# Altium PCB robot.PcbDoc (part 1 of 13)
Units mm, origin at the board's own origin, x right, y up, seen from the top; angles counter-clockwise.
Board outline 97 x 68 mm, 2 copper layers (Top Layer, Bottom Layer); 163 components, 156 nets, 23258 pads, 60 vias.
Unrouted connection lines stored in the file: 298.
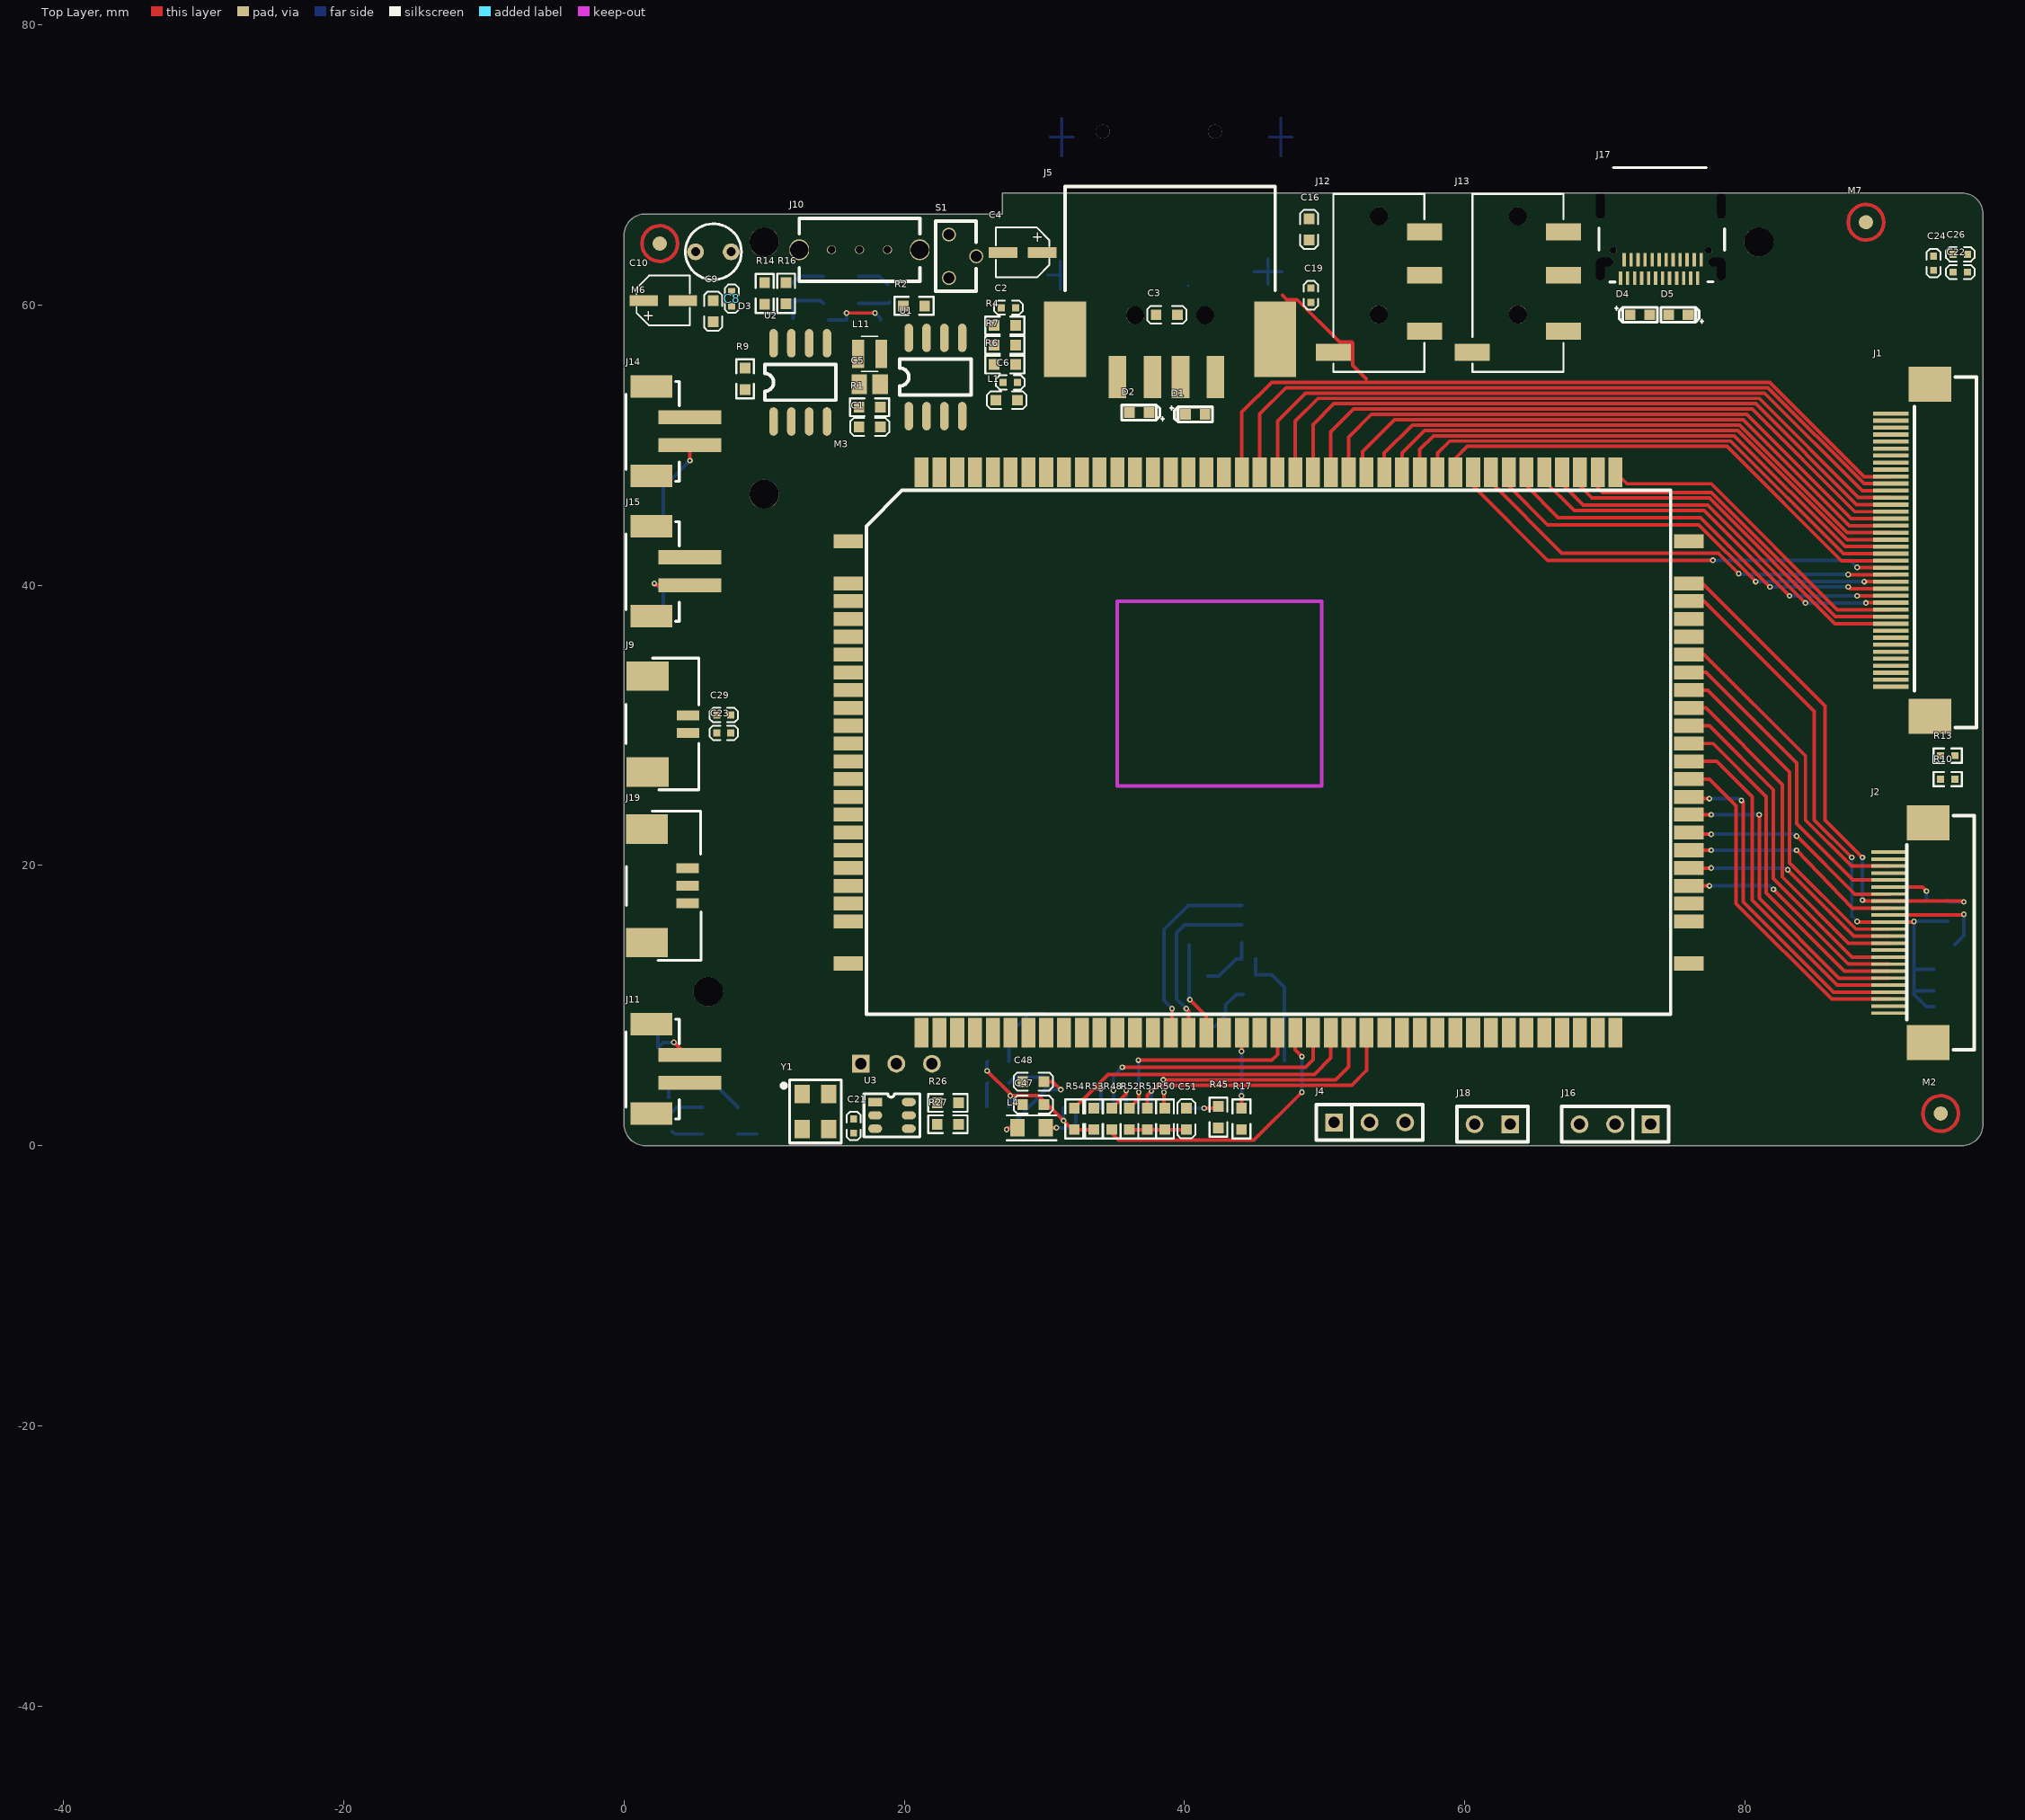
[diagram p0: Top Layer view]
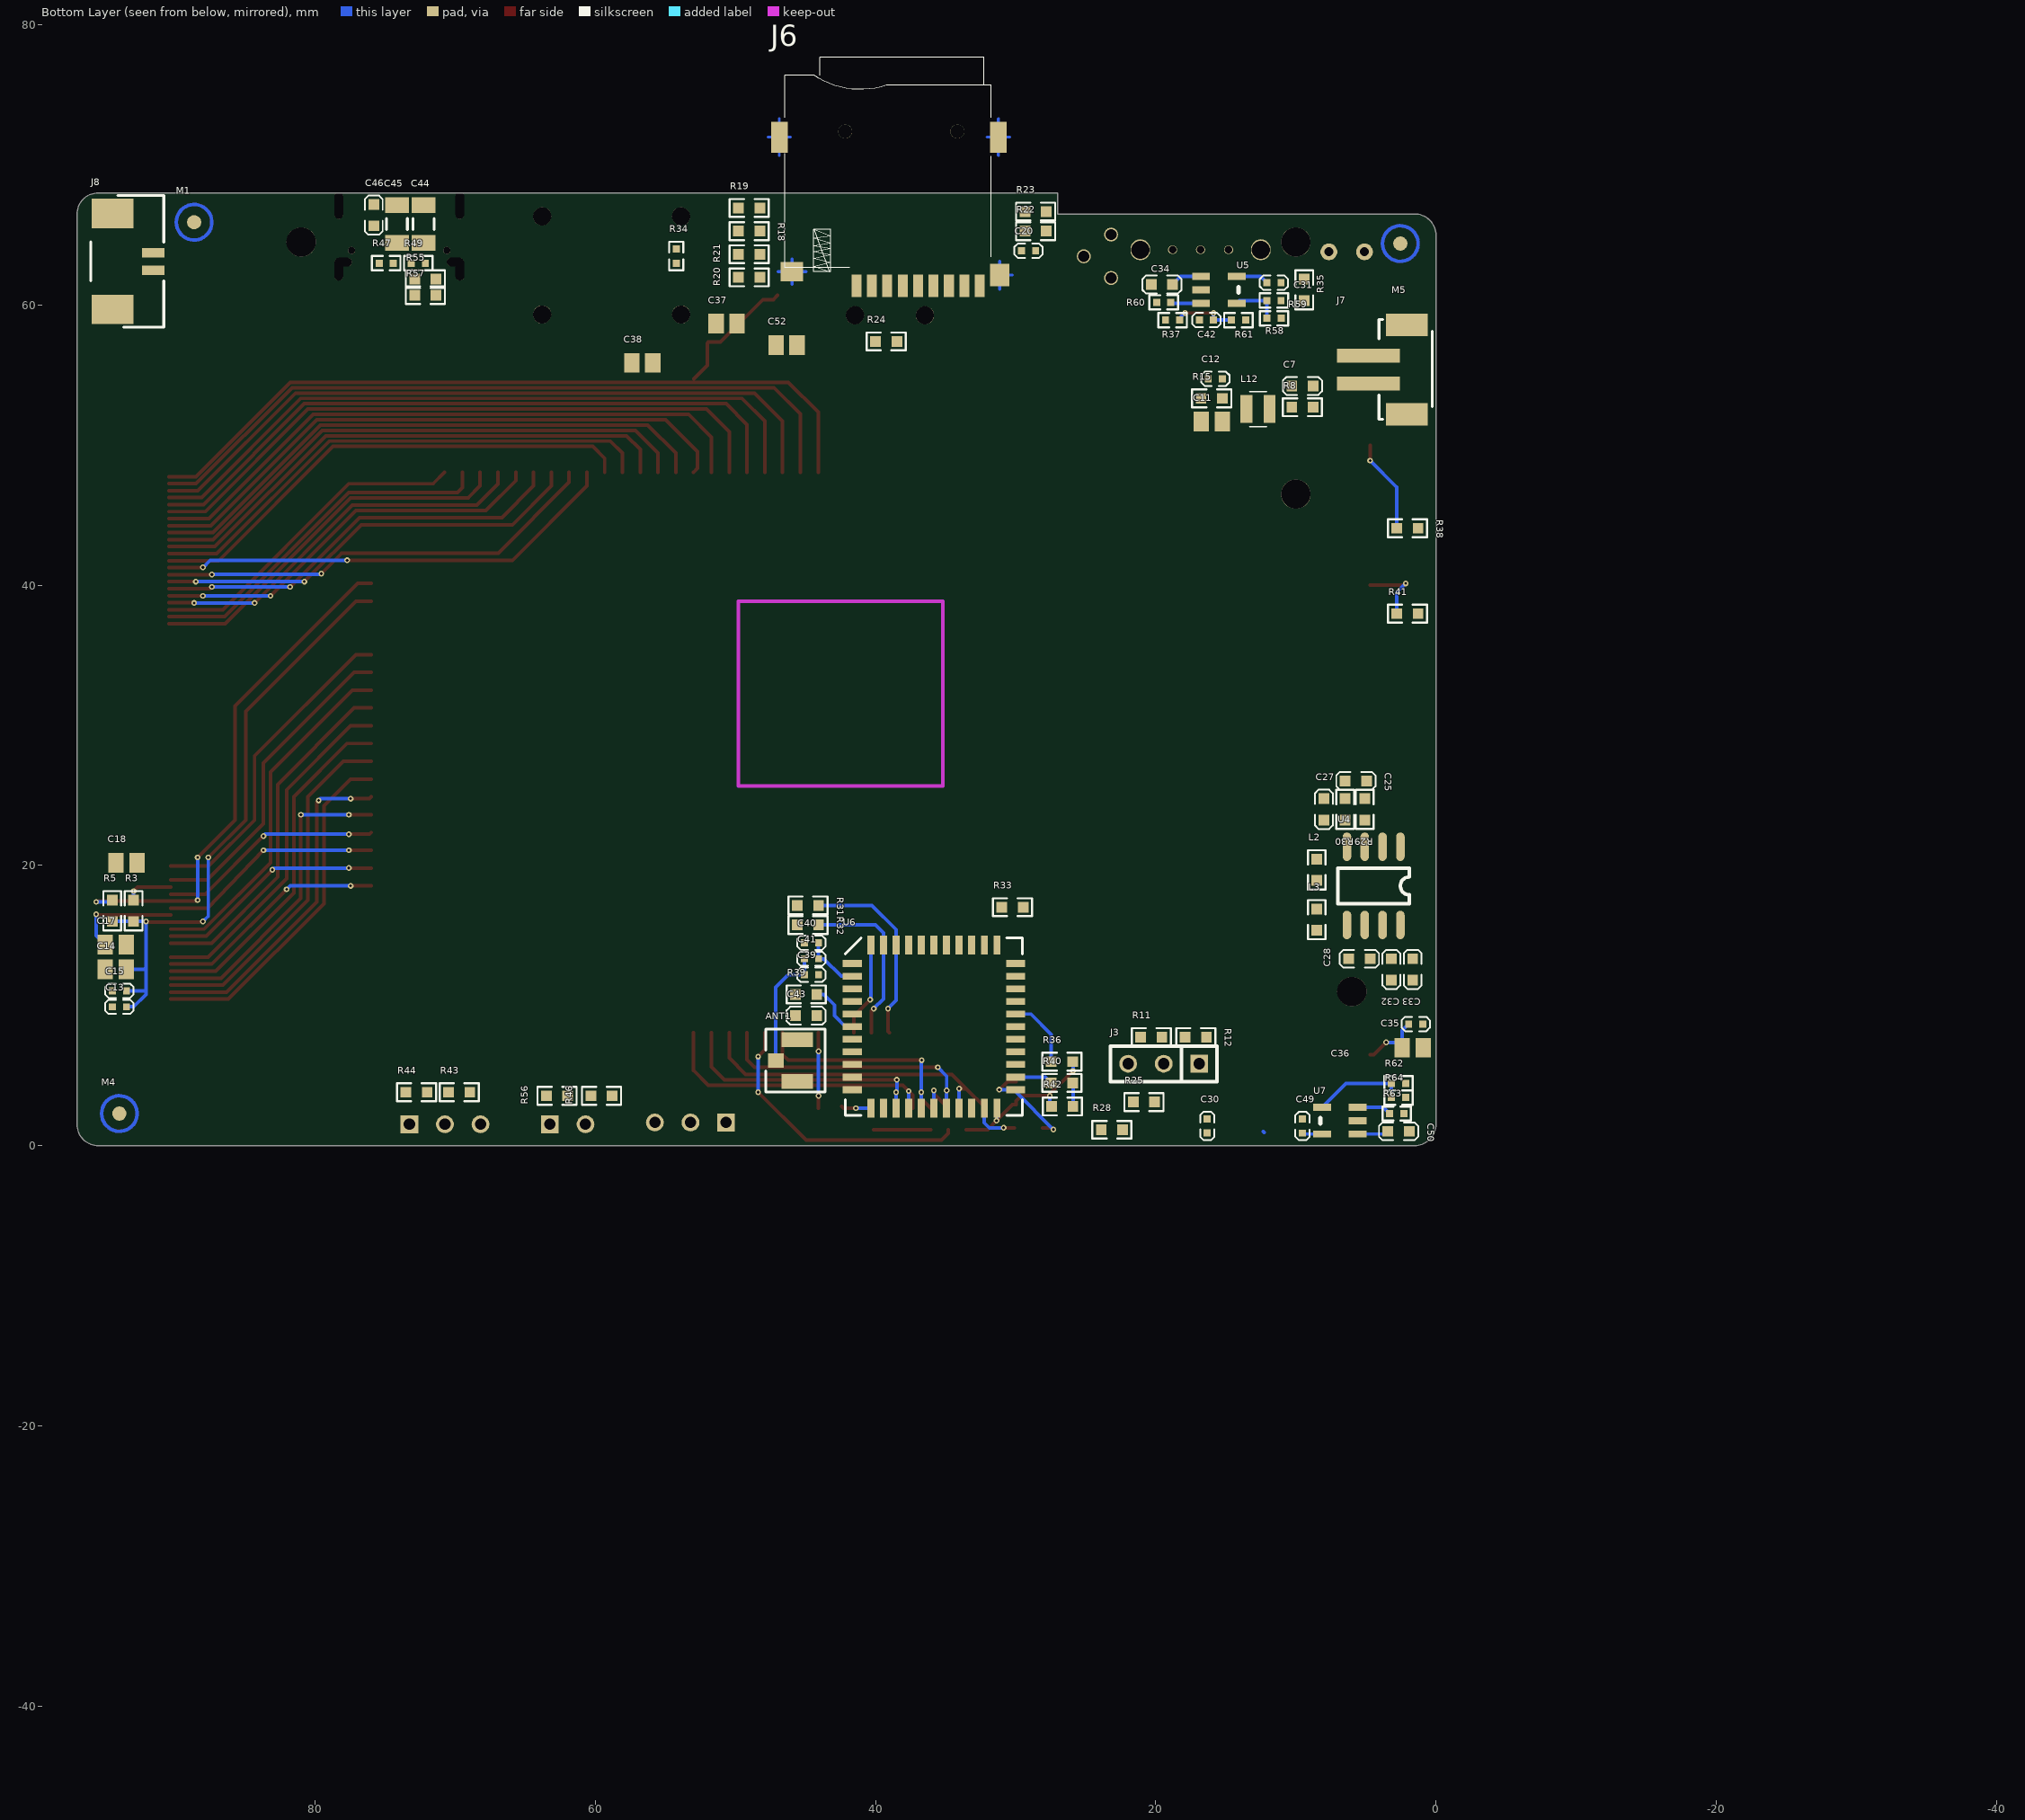
[diagram p1: Bottom Layer view, seen from below]

## Layer stack, top to bottom
Top Solder: solder mask 0.0102, Solder Resist, Dk 3.5
Top Layer: signal copper 0.0356
Dielectric 1: dielectric 0.32, FR-4, Dk 4.8
Bottom Layer: signal copper 0.0356
Bottom Solder: solder mask 0.0102, Solder Resist, Dk 3.5

## Board outline
1.5,0 cw(c1.5,1.5) 0,1.5 0,65 cw(c1.5,65) 1.5,66.5 27,66.5 27,68 95.5,68 cw(c95.5,66.5) 97,66.5 97,1.5 cw(c95.5,1.5) 95.5,0

## Design rules (kind name [scope] priority, off if disabled: settings)
Clearance Clearance_1 [All] p1: gap=0
DiffPairsRouting [All] p1: maxlimit=0.254 minlimit=0.254 mostfreqgap=0.254 toplayer_minwidth=0.254 toplayer_maxwidth=0.381 toplayer_prefwidth=0.254 bottomlayer_minwidth=0.254 bottomlayer_maxwidth=0.381 bottomlayer_prefwidth=0.254 maxuncoupledlength=12.7
MinimumSolderMaskSliver [All] p1: minsoldermaskwidth=0.051
PlaneConnect [All] p1: planeconnectstyle=Direct reliefexpansion=0.508 reliefentries=4 reliefconductorwidth=0.254 reliefairgap=0.254
PolygonConnect PolygonConnect_2 [IsVia] p1: connectstyle=Direct reliefconductorwidth=0.254 reliefentries=4 polygonreliefangle="90 Angle" airgapwidth=0.254
PolygonConnect [All] p2: connectstyle=Relief reliefconductorwidth=0.254 reliefentries=4 polygonreliefangle="90 Angle" airgapwidth=0.254
RoutingVias [All] p1: holewidth=0.203 width=0.406 viastyle="Through Hole" minholewidth=0.203 minwidth=0.406 maxholewidth=0.203 maxwidth=0.406
SilkToSilkClearance [All] p1: silktosilkclearance=0.051
SilkToSolderMaskClearance [IsPad] p1: minsilkscreentomaskgap=0.051 clearancetoexposedcopper=TRUE
SolderMaskExpansion [All] p1: expansion=0.102
Width [All] p1: maxlimit=0.8 minlimit=0.152 preferedwidth=0.254 minimp=50.000000 maximp=50.000000 favimp=50.000000
25 further rules are at their usual default settings.

## Components (designator, comment, footprint, x,y, rotation, side; value= is the part's Value field where it differs from the comment)
ANT1 "IPEX" J-IPEX 45.593,4.572 r0 bottom
C1 "4.7NF" C0603 16.764,51.308 r0 top
C2 "0.1UF" C0402 27.94,59.817 r180 top
C3 "22UF" C0603 37.973,59.309 r0 top
C4 "100UF" CD3X5.3SMD 29.845,63.754 r0 top
C5 "226K25V" C0805 17.526,54.356 r180 top
C6 "1NF" C0402 27.051,54.483 r0 top
C7 "4.7NF" C0603 8.763,54.229 r0 bottom
C8 "0.1UF" C0402 7.685,60.96 r270 top
C9 "22UF" C0603 6.35,58.801 r90 top
C10 "100UF" CD3X5.3SMD 1.397,60.325 r180 top
C11 "226K25V" C0805 16.002,51.689 r180 bottom
C12 "1NF" C0402 15.24,54.737 r0 bottom
C13 "104J10V" C0402 93.472,9.906 r0 bottom
C14 "226M50V" C0805 94.246,12.573 r0 bottom
C15 "104J10V" C0402 93.472,11.049 r0 bottom
C16 "106K50V" C0603 48.895,66.167 r270 top
C17 "226M50V" C0805 94.234,14.351 r180 bottom
C18 "226M50V" C0805 93.472,20.193 r180 bottom
C19 "104J10V" C0402 49.022,60.198 r90 top
C20 "104J10V" C0402 29.591,63.881 r180 bottom
C21 "220J10V" C0402 16.383,1.905 r270 top
C22 "33PF" C0402 95.885,62.357 r180 top
C23 "1NF" C0402 7.62,29.464 r180 top
C24 "100PF" C0402 93.472,62.484 r90 top
C25 "4.7NF" C0603 6.477,26.035 r180 bottom
C26 "33PF" C0402 94.869,63.627 r0 top
C27 "4.7NF" C0603 8.001,23.241 r90 bottom
C28 "10UF" C0603 4.699,13.335 r0 bottom
C29 "1NF" C0402 6.604,30.734 r0 top
C30 "220J10V" C0402 16.321,0.897 r90 bottom
C31 "104J10V" C0402 11.057,61.597 r0 bottom
C32 "10UF" C0603 3.181,13.335 r270 bottom
C33 "1uf" C0603 1.657,13.335 r270 bottom
C34 "10UF" C0603 18.796,61.468 r0 bottom
C35 "104J10V" C0402 1.949,8.677 r180 bottom
C36 "226K25V" C0805 1.651,6.985 r180 bottom
C37 "226K25V" C0805 50.63,58.674 r0 bottom
C38 "226K25V" C0805 56.654,55.88 r0 bottom
C39 "NC" C0402 44.069,12.192 r0 bottom
C40 "NC" C0402 45.085,14.478 r180 bottom
C41 "330J10V" C0402 44.069,13.335 r0 bottom
C42 "104J10V" C0402 15.875,58.928 r0 bottom
C43 "106K50V" C0603 44.196,9.271 r0 bottom
C44 "220UF 20%" C1206 72.263,65.786 r90 bottom
C45 "220UF 20%" C1206 74.168,65.786 r90 bottom
C46 "106K50V" C0603 75.819,67.183 r270 bottom
C47 "475K16V" C0603 28.448,2.921 r0 top
C48 "475K16V" C0603 28.448,4.572 r0 top
C49 "104J10V" C0402 9.525,1.905 r270 bottom
C50 "10UF" C0603 3.429,1.016 r180 bottom
C51 "105K16V" C0603 40.132,1.143 r90 top
C52 "226K25V" C0805 46.355,57.15 r180 bottom
D1 "ESDA_TR1/0603" HS_0603D 40.767,52.197 r0 top
D2 "ESDA_TR1/0603" HS_0603D 36.766,52.324 r180 top
D3 "发光二极管" "LED 3MM" 6.37,63.803 r0 top locked
D4 "ESDA_TR1/0603" HS_0603D 72.517,59.309 r0 top
D5 "ESDA_TR1/0603" HS_0603D 75.248,59.309 r180 top
J1 "LCD_40P" "LCD P40" 93.218,54.356 r270 top
J2 "FPC0.5-24P/UT" FPC0.5-24P/UT 90.297,20.955 r270 top
J3 "S2.54-3P" S2.54-3P 16.891,5.842 r0 bottom
J4 "S2.54-3P" S2.54-3P 50.673,1.651 r0 top
J5 "USB_B" "SMD USB A型" 38.973,57.069 r180 top locked
J6 "TF_CARD" SD_CARD_7 41.364,61.39 r270 bottom
J7 "S2.54-2P" J-SH2.0-T-1-LT-2A_立式 4.826,54.388 r90 bottom
J8 "SH1.0-T-1-LT-2A_卧式" J-SH1.27-2 91.567,62.484 r90 bottom
J9 "SH1.0-T-1-LT-2A_卧式" J-SH1.27-2 4.572,29.464 r90 top
J10 "SW" 拨码开关 16.8,63.95 r180 top locked
J11 "S2.54-2P" J-SH2.0-T-1-LT-2A_立式 4.699,6.477 r270 top locked
J12 "耳机4P" 耳机接口 53.88,62.23 r180 top locked
J13 "耳机4P" 耳机接口 63.8,62.23 r180 top locked
J14 "S2.54-2P" J-SH2.0-T-1-LT-2A_立式 4.699,52 r270 top
J15 "S2.54-2P" J-SH2.0-T-1-LT-2A_立式 4.699,42 r270 top
J16 "S2.54-3P" S2.54-3P 73.279,1.524 r180 top
J17 "TYPEC-3KU024S" "MICRO -TYPE C" 74,64.516 r180 top
J18 "S2.54-2P" S2.54-2P 63.246,1.524 r180 top
J19 "Header 3" "J-SH1.27 - 3" 3.079,18.542 r90 top
L1 "10uH" C0603 28.067,53.213 r180 top
L2 "120R" R0603 8.509,20.447 r270 bottom
L3 "120R" R0603 8.509,15.367 r90 bottom
L4 "3.3uH" L0805 30.099,1.27 r180 top
L11 "" 电感SMD6*6*2.8 17.526,56.515 r90 top
L12 "" 电感SMD6*6*2.8 12.7,52.578 r90 bottom
M1 "O-Markpoint" MARKGLOBAL1 88.646,65.908 r180 bottom
M2 "O-Markpoint" MARKGLOBAL1 93.977,2.289 r0 top
M3 "A33 CORE2" A33-CORE2 16.002,40.132 r0 top
M4 "O-Markpoint" MARKGLOBAL1 93.98,2.286 r180 bottom
M5 "O-Markpoint" MARKGLOBAL1 2.543,64.392 r180 bottom
M6 "O-Markpoint" MARKGLOBAL1 2.54,64.389 r0 top
M7 "O-Markpoint" MARKGLOBAL1 88.643,65.91 r0 top
R1 "2.2R" R0603 16.764,52.705 r0 top
R2 "43K" R0603 19.931,59.944 r0 top
R3 "100KF" R0603 92.964,16.002 r90 bottom
R4 "73K" R0603 26.416,58.547 r0 top
R5 "100KF" R0603 94.488,17.526 r270 bottom
R6 "10K" R0603 26.416,55.753 r0 top
R7 "10K" R0603 27.94,57.15 r180 top
R8 "2.2R" R0603 8.763,52.705 r0 bottom
R9 "43K" R0603 8.636,53.975 r90 top
R10 "4.7KF" R0402 93.972,26.162 r0 top
R11 "22R" R0603 21.082,7.747 r180 bottom
R12 "22R" R0603 17.907,7.747 r180 bottom
R13 "4.7KF" R0402 93.972,27.838 r0 top
R14 "73K" R0603 10.033,60.071 r90 top
R15 "10K" R0603 15.24,53.34 r0 bottom
R16 "10K" R0603 11.565,61.605 r270 top
R17 "10k" R0603 44.069,1.143 r90 top
R18 "47KF" R0603 48.26,65.278 r0 bottom
R19 "10KF" R0603 48.26,66.929 r0 bottom
R20 "47KF" R0603 48.26,61.976 r0 bottom
R21 "47KF" R0603 48.26,63.627 r0 bottom
R22 "47KF" R0603 29.337,65.278 r180 bottom
R23 "47KF" R0603 29.337,66.675 r180 bottom
R24 "33RF" R0603 40.005,57.404 r180 bottom
R25 "100RF" R0603 21.603,3.109 r180 bottom
R26 "470RF" R0603 23.876,3.048 r180 top
R27 "3KF" R0603 23.876,1.524 r180 top
R28 "560KF" R0603 23.889,1.13 r180 bottom
R29 "150K" R0603 5.08,24.765 r270 bottom
R30 "150K" R0603 6.477,24.765 r270 bottom
R31 "10KF" R0603 45.593,17.145 r180 bottom
R32 "10KF" R0603 45.593,15.748 r180 bottom
R33 "100KF" R0603 30.988,17.018 r180 bottom
R34 "6.8k" R0402 54.229,64.008 r270 bottom
R35 "2K" R0603 9.398,61.849 r270 bottom
R36 "0R" R0603 27.457,5.994 r180 bottom
R37 "10k" R0402 19.304,58.928 r180 bottom
R38 "1K" R0603 2.794,44.069 r180 bottom
R39 "100KF" R0603 44.196,10.795 r0 bottom
R40 "0R" R0603 27.457,4.47 r180 bottom
R41 "1K" R0603 2.794,37.973 r180 bottom
R42 "10KF" R0603 27.432,2.794 r180 bottom
R43 "22R" R0603 68.961,3.81 r0 bottom
R44 "22R" R0603 72.009,3.81 r0 bottom
R45 "100KF" R0603 42.418,2.794 r270 top
R46 "100KF" R0603 58.801,3.556 r0 bottom
R47 "2.2R" R0402 75.438,62.992 r180 bottom
R48 "33RF" R0603 34.82,2.667 r270 top
R49 "2.2R" R0402 72.136,62.992 r0 bottom
R50 "33KF" R0603 38.608,1.143 r90 top
R51 "33KF" R0603 37.338,1.143 r90 top
R52 "33KF" R0603 36.068,1.143 r90 top
R53 "33KF" R0603 33.528,1.143 r90 top
R54 "33KF" R0603 32.131,1.143 r90 top
R55 "1KF" R0603 71.374,61.849 r0 bottom
R56 "6.8KF" R0603 61.976,3.556 r0 bottom
R57 "47KF" R0603 72.898,60.706 r180 bottom
R58 "4.7k" R0402 12.065,59.055 r180 bottom
R59 "100k" R0402 11.057,60.327 r0 bottom
R60 "6.8k" R0402 19.939,60.198 r180 bottom
R61 "10k" R0402 14.605,58.928 r180 bottom
R62 "4.7k" R0402 3.175,4.445 r180 bottom
R63 "6.8k" R0402 3.302,2.286 r180 bottom
R64 "100k" R0402 3.175,3.429 r180 bottom
S1 "KSMD 4.5*4.5" 侧按4.5*4.5*4.8 25.138,63.484 r90 top locked
U1 "FP6276B" U-SOP-8N-1 20.32,52.07 r90 top
U2 "FP6276B" U-SOP-8N-1 10.668,51.689 r90 top
U3 "NL27WZU04" U-TSOP-6 17.92,3.109 r0 top
U4 "CS8508E" U-SOP-8N-1 2.54,21.336 r270 bottom
U5 "AP2191WG-7" SOT23-5 15.494,61.087 r180 bottom
U6 "AP6210" AP6210 41.661,12.992 r180 bottom
U7 "AP2191WG-7" SOT23-5 6.858,1.778 r0 bottom
Y1 "26MHz" Y-CPX-32GA-4P 12.7,3.683 r270 top

## Footprints (in the part's own frame and the unit in brackets; to place one, negate y for a bottom-side part, rotate by r counter-clockwise, add the part's x,y. Pads: shape width x height; smd on the part's side, far side on the other; paste and mask are expansions set on the pad)
A33-CORE2 [mm]
  rect 2.1x1 smd: 1(0,0) 2(0,-1.27) 3(0,-2.54) 4(0,-3.81) 5(0,-5.08) 6(0,-6.35) 7(0,-7.62) 8(0,-8.89) 9(0,-10.16) 10(0,-11.43) 11(0,-12.7) 12(0,-13.97) 13(0,-15.24) 14(0,-16.51) 15(0,-17.78) 16(0,-19.05) 17(0,-20.32) 18(0,-21.59) 19(0,-22.86) 20(0,-24.13) 61(60,-24.13) 62(60,-22.86) 63(60,-21.59) 64(60,-20.32) 65(60,-19.05) 66(60,-17.78) 67(60,-16.51) 68(60,-15.24) 69(60,-13.97) 70(60,-12.7) 71(60,-11.43) 72(60,-10.16) 73(60,-8.89) 74(60,-7.62) 75(60,-6.35) 76(60,-5.08) 77(60,-3.81) 78(60,-2.54) 79(60,-1.27) 80(60,0) 121(0,3) 122(0,-27.13) 123(60,-27.13) 124(60,3)
  rect 1x2.1 smd: 21(5.235,-32.065) 22(6.505,-32.065) 23(7.775,-32.065) 24(9.045,-32.065) 25(10.315,-32.065) 26(11.585,-32.065) 27(12.855,-32.065) 28(14.125,-32.065) 29(15.395,-32.065) 30(16.665,-32.065) 31(17.935,-32.065) 32(19.205,-32.065) 33(20.475,-32.065) 34(21.745,-32.065) 35(23.015,-32.065) 36(24.285,-32.065) 37(25.555,-32.065) 38(26.825,-32.065) 39(28.095,-32.065) 40(29.365,-32.065) 41(30.635,-32.065) 42(31.905,-32.065) 43(33.175,-32.065) 44(34.445,-32.065) 45(35.715,-32.065) 46(36.985,-32.065) 47(38.255,-32.065) 48(39.525,-32.065) 49(40.795,-32.065) 50(42.065,-32.065) 51(43.335,-32.065) 52(44.605,-32.065) 53(45.875,-32.065) 54(47.145,-32.065) 55(48.415,-32.065) 56(49.685,-32.065) 57(50.955,-32.065) 58(52.225,-32.065) 59(53.495,-32.065) 60(54.765,-32.065) 81(54.765,7.935) 82(53.495,7.935) 83(52.225,7.935) 84(50.955,7.935) 85(49.685,7.935) 86(48.415,7.935) 87(47.145,7.935) 88(45.875,7.935) 89(44.605,7.935) 90(43.335,7.935) 91(42.065,7.935) 92(40.795,7.935) 93(39.525,7.935) 94(38.255,7.935) 95(36.985,7.935) 96(35.715,7.935) 97(34.445,7.935) 98(33.175,7.935) 99(31.905,7.935) 100(30.635,7.935) 101(29.365,7.935) 102(28.095,7.935) 103(26.825,7.935) 104(25.555,7.935) 105(24.285,7.935) 106(23.015,7.935) 107(21.745,7.935) 108(20.475,7.935) 109(19.205,7.935) 110(17.935,7.935) 111(16.665,7.935) 112(15.395,7.935) 113(14.125,7.935) 114(12.855,7.935) 115(11.585,7.935) 116(10.315,7.935) 117(9.045,7.935) 118(7.775,7.935) 119(6.505,7.935) 120(5.235,7.935)
  Keep-Out Layer lines w0.254: 19.2,-14.465 33.8,-14.465 33.8,-1.265 19.2,-1.265 19.2,-14.465
  silkscreen extent 1.3,-30.76 58.7,6.63, body extent 0,-32.06 59.69,7.94, height 1.5
AP6210 [mm]
  rect 1.35x0.5 smd: 1(0,0) 2(0,-0.9) 3(0,-1.8) 4(0,-2.7) 5(0,-3.6) 6(0,-4.5) 7(0,-5.4) 8(0,-6.3) 9(0,-7.2) 10(0,-8.1) 11(0,-9) 23(11.65,-9) 24(11.65,-8.1) 25(11.65,-7.2) 26(11.65,-6.3) 27(11.65,-5.4) 28(11.65,-4.5) 29(11.65,-3.6) 30(11.65,-2.7) 31(11.65,-1.8) 32(11.65,-0.9) 33(11.65,0)
  rect 0.5x1.35 smd: 12(1.325,-10.325) 13(2.225,-10.325) 14(3.125,-10.325) 15(4.025,-10.325) 16(4.925,-10.325) 17(5.825,-10.325) 18(6.725,-10.325) 19(7.625,-10.325) 20(8.525,-10.325) 21(9.425,-10.325) 22(10.325,-10.325) 34(10.325,1.325) 35(9.425,1.325) 36(8.525,1.325) 37(7.625,1.325) 38(6.725,1.325) 39(5.825,1.325) 40(4.925,1.325) 41(4.025,1.325) 42(3.125,1.325) 43(2.225,1.325) 44(1.325,1.325)
  silkscreen extent -0.5,-10.83 12.15,1.83
C0402 [mil]
  rect 20x20 smd: 1(0,0) 2(40,0)
  silkscreen extent -20,-20 60,20, body extent 0,-10 40,10, height 20
C0603 [mil]
  rect 30x30 smd: 1(0,0) 2(60,0)
  silkscreen extent -25,-25 85,25, body extent -1,-15 61,16, height 12
C0805 [mm] "Chip Capacitor, Body 2.0x1.3mm, IPC High Density"
  rect 1.1x1.4 smd: 1(-0.75,0) 2(0.75,0)
  body extent -1.1,-0.72 1.1,0.72, height 1.4
C1206 [mm] "Chip Capacitor, Body 3.2x1.6mm, IPC High Density"
  rect 1.1x1.7 smd: 1(-1.35,0) 2(1.35,0)
  silkscreen extent -0.4,-0.75 0.4,0.75, body extent -1.7,-0.9 1.7,0.9, height 1.3
CD3X5.3SMD [mil] "A"
  rect 80x30 smd: 1(0,0) 2(-110,0)
  silkscreen extent -130,-70 20,70, body extent -126,-65 16,65, height 213
FPC0.5-24P/UT [mm]
  rect 0.25x2.54 smd: 1(0,0) 2(0.5,0) 3(1,0) 4(1.5,0) 5(2,0) 6(2.5,0) 7(3,0) 8(3.5,0) 9(4,0) 10(4.5,0) 11(5,0) 12(5.5,0) 13(6,0) 14(6.5,0) 15(7,0) 16(7.5,0) 17(8,0) 18(8.5,0) 19(9,0) 20(9.5,0) 21(10,0) 22(10.5,0) 23(11,0) 24(11.5,0)
  rect 2.5x3.048 smd: 25(-2.1,2.783) 26(13.6,2.783)
  silkscreen extent -2.6,1.26 14.1,6.09
HS_0603D [mil]
  rect 30x30 smd: 1(-27.5,0) 2(27.5,0)
  silkscreen extent -70,-21 49,23
J-IPEX [mm]
  rect 1.1x1.05 smd: 1(1.525,-1.5)
  rect 2.25x1.05 smd: 2(0,0) 3(0,-3)
  Top Layer pour cut-out: -1.125,-0.525 -1.125,-2.475 0.975,-2.475 0.975,-0.525
  silkscreen extent -2,-3.75 2.25,0.75
"J-SH1.27 - 3" [mm]
  rect 0.7x1.6 smd: 1(-1.25,-1.45) 2(0,-1.45) 3(1.25,-1.45)
  rect 2.1x3 smd: 4(4.05,1.45) 5(-4.05,1.45)
  silkscreen extent -5.31,-2.41 5.33,2.92
J-SH1.27-2 [mm]
  rect 0.7x1.6 smd: 1(0,0) 2(1.25,0)
  rect 2.1x3 smd: 3(4.05,2.9) 4(-2.8,2.9)
  silkscreen extent -4.06,-0.76 5.33,4.44
J-SH2.0-T-1-LT-2A_立式 [mm]
  rect 1x4.5 smd: 1(0,0) 2(2,0)
  rect 1.6x3 smd: 3(-2.2,-2.75) 4(4.2,-2.75)
  silkscreen extent -2.54,-4.57 4.57,-0.76
L0805 [mil]
  rect 40x50 smd: 1(0,0) 2(80,0)
  silkscreen extent -30,-35 110,35, body extent 1,-25 79,25, height 22
"LCD P40" [mm] "0.5MM 下接"
  rect 0.3x2.54 smd: 1(2.1,-2.783) 2(2.6,-2.783) 3(3.1,-2.783) 4(3.6,-2.783) 5(4.1,-2.783) 6(4.6,-2.783) 7(5.1,-2.783) 8(5.6,-2.783) 9(6.1,-2.783) 10(6.6,-2.783) 11(7.1,-2.783) 12(7.6,-2.783) 13(8.1,-2.783) 14(8.6,-2.783) 15(9.1,-2.783) 16(9.6,-2.783) 17(10.1,-2.783) 18(10.6,-2.783) 19(11.1,-2.783) 20(11.6,-2.783) 21(12.1,-2.783) 22(12.6,-2.783) 23(13.1,-2.783) 24(13.6,-2.783) 25(14.1,-2.783) 26(14.6,-2.783) 27(15.1,-2.783) 28(15.6,-2.783) 29(16.1,-2.783) 30(16.6,-2.783) 31(17.1,-2.783) 32(17.6,-2.783) 33(18.1,-2.783) 34(18.6,-2.783) 35(19.1,-2.783) 36(19.6,-2.783) 37(20.1,-2.783) 38(20.6,-2.783) 39(21.1,-2.783) 40(21.6,-2.783)
  rect 2.5x3.048 smd: 41(23.7,0) 42(0,0)
  silkscreen extent -0.5,-1.1 24.5,3.3
"LED 3MM" [mm]
  round 1.2 hole 0.65: A(-1.27,0) K(1.27,0)
  silkscreen extent -2,-2 2,2
MARKGLOBAL1 [mil]
  round 40 smd: 0(0.1,0.1)
  Top Layer circle w10: c0.1,0.1 r50
"MICRO -TYPE C" [mm]
  oval 0.6x1.6 hole 0.6 slot 1.6 at 90 deg: 25(-4.32,1.963) 27(4.32,1.963)
  oval 1.2x0.6 hole 0.6 slot 1.2 at 0 deg: 26(-3.995,1.445) 28(4.006,1.445)
  oval 0.6x1.9 hole 0.6 slot 1.9 at 90 deg: 29(-4.32,-2.588) 30(4.32,-2.588)
  round 0.5 hole 0.5: 31(-3.4,0.613) 32(3.4,0.613)
  rect 0.24x0.95 smd: A1(-2.63,2.588) A2(-2.13,2.588) A3(-1.63,2.588) A4(-1.13,2.588) A5(-0.63,2.588) A6(-0.13,2.588) A7(0.37,2.588) A8(0.87,2.588) A9(1.37,2.588) A10(1.87,2.588) A11(2.37,2.588) A12(2.87,2.588) B1(-2.88,1.288) B2(-2.38,1.288) B3(-1.88,1.288) B4(-1.38,1.288) B5(-0.88,1.288) B6(-0.38,1.288) B7(0.12,1.288) B8(0.62,1.288) B9(1.12,1.288) B10(1.62,1.288) B11(2.12,1.288) B12(2.62,1.288)
  silkscreen extent -4.55,-5.29 4.41,2.87
R0402 [mil]
  rect 20x20 smd: 1(0,0) 2(40,0)
  silkscreen extent -20,-20 60,20, body extent 0,-10 40,10, height 14
R0603 [mil]
  rect 30x30 smd: 1(0,0) 2(60,0)
  silkscreen extent -25,-25 85,25, body extent 0,-16 62,15, height 18
S2.54-2P [mil]
  rect 50x50 hole 32: 1(0,0)
  round 50 hole 32: 2(100,0)
  silkscreen extent -50,-50 150,50, body extent -50,-50 150,50, height 315
S2.54-3P [mil]
  rect 50x50 hole 32: 1(0,0)
  round 50 hole 32: 2(100,0) 3(200,0)
  silkscreen extent -50,-50 250,50, body extent -50,-50 250,50, height 315
SD_CARD_7 [mil] "This is 9信号的，适用于A33"
  rect 63x28 smd: 1(0,0) 2(0,43.3) 3(0,86.61) 4(0,129.92) 5(0,173.22) 6(0,216.53) 7(0,259.84) 8(0,303.15) 9(0,346.45)
  rect 63x55 smd: 10(-29.37,402.7)
  rect 87x47 smd: 11(-417.32,398.7) 13(-417.32,-216.54)
  rect 55x63 smd: 12(-39.37,-181.11)
  round 39.37 / inner round 60 / far side round 39.37 hole 39.37: " "(-433.07,-31.5) " "(-433.07,283.46)
  Top Layer pour cut-out: -367.82,428.2 -367.82,369.2 -466.82,369.2 -466.82,428.2 -367.82,428.2
  Top Layer pour cut-out: -367.82,-187.04 -367.82,-246.04 -466.82,-246.04 -466.82,-187.04 -367.82,-187.04
  Top Layer pour cut-out: -5.87,-143.61 -5.87,-218.61 -72.87,-218.61 -72.87,-143.61 -5.87,-143.61
  Top Layer pour cut-out: -405.14,283.46 -406.1,290.69 -408.89,297.42 -413.32,303.21 -419.11,307.64 -425.84,310.43 -433.07,311.39 -440.3,310.43 -447.03,307.64 -452.82,303.21 -457.25,297.42 -460.04,290.69 -461,283.46 -460.04,276.23 -457.25,269.5 -452.82,263.71 -447.03,259.28 -440.3,256.49 -433.07,255.53 -425.84,256.49 -419.11,259.28 -413.32,263.71 -408.89,269.5 -406.1,276.23 -405.14,283.46
  Top Layer pour cut-out: -405.14,-31.5 -406.1,-24.27 -408.89,-17.54 -413.32,-11.75 -419.11,-7.32 -425.84,-4.53 -433.07,-3.57 -440.3,-4.53 -447.03,-7.32 -452.82,-11.75 -457.25,-17.54 -460.04,-24.27 -461,-31.5 -460.04,-38.73 -457.25,-45.46 -452.82,-51.25 -447.03,-55.68 -440.3,-58.47 -433.07,-59.43 -425.84,-58.47 -419.11,-55.68 -413.32,-51.25 -408.89,-45.46 -406.1,-38.73 -405.14,-31.5
  Top Layer lines w6: 0.28,43.58 0,43.3
  Top Layer lines w8: -29.37,438.2 -29.37,402.7 ; -417.32,430.2 -417.32,398.7 ; 10.13,402.7 -29.37,402.7 ; -68.87,402.7 -29.37,402.7 ; -365.82,398.7 -417.32,398.7 ; -468.82,398.7 -417.32,398.7 ; -417.32,367.2 -417.32,398.7 ; -39.37,-141.61 -39.37,-181.11 ; -3.87,-181.11 -39.37,-181.11 ; -74.87,-181.11 -39.37,-181.11 ; -417.32,-185.04 -417.32,-216.54 ; -365.82,-216.54 -417.32,-216.54 ; -468.82,-216.54 -417.32,-216.54 ; -39.37,-220.61 -39.37,-181.11 ; -417.32,-248.04 -417.32,-216.54
  Bottom Layer pour cut-out: -405.14,283.46 -406.1,290.69 -408.89,297.42 -413.32,303.21 -419.11,307.64 -425.84,310.43 -433.07,311.39 -440.3,310.43 -447.03,307.64 -452.82,303.21 -457.25,297.42 -460.04,290.69 -461,283.46 -460.04,276.23 -457.25,269.5 -452.82,263.71 -447.03,259.28 -440.3,256.49 -433.07,255.53 -425.84,256.49 -419.11,259.28 -413.32,263.71 -408.89,269.5 -406.1,276.23 -405.14,283.46
  Bottom Layer pour cut-out: -405.14,-31.5 -406.1,-24.27 -408.89,-17.54 -413.32,-11.75 -419.11,-7.32 -425.84,-4.53 -433.07,-3.57 -440.3,-4.53 -447.03,-7.32 -452.82,-11.75 -457.25,-17.54 -460.04,-24.27 -461,-31.5 -460.04,-38.73 -457.25,-45.46 -452.82,-51.25 -447.03,-55.68 -440.3,-58.47 -433.07,-59.43 -425.84,-58.47 -419.11,-55.68 -413.32,-51.25 -408.89,-45.46 -406.1,-38.73 -405.14,-31.5
  silkscreen extent -642,-201 -39,378
"SMD USB A型" [mm]
  rect 1.27x3 smd: 1(-3.239,2.2) 2(-0.738,2.2) 3(1.262,2.2) 4(3.762,2.2)
  rect 3x5.4 smd: 5(7.5,-0.5) 6(-7.5,-0.5)
  round 1.3 hole 1.3: 7(-2.5,-2.2) 8(2.5,-2.2)
  silkscreen extent -7.5,-11.4 7.5,-4
SOT23-5 [mil]
  rect 50x20 smd: 1(-50,37.5) 2(-50,0.5) 3(-50,-37.5) 4(50,-37.5) 5(50,37.5)
  silkscreen extent 55,-8 55,7
U-SOP-8N-1 [mil]
  oval 80x24 smd: 1(0,0) 2(0,-50) 3(0,-100) 4(0,-150) 5(220,-150) 6(220,-100) 7(220,-50) 8(220,0)
  silkscreen extent 60,-175 160,25, body extent -8,-175 227,25, height 59
U-TSOP-6 [mm]
  rect 1x0.6 smd: 1(0,0)
  oval 1x0.6 smd: 2(0,-0.95) 3(0,-1.9) 4(2.4,-1.9) 5(2.4,-0.95) 6(2.4,0)
  silkscreen extent -0.8,-2.5 3.2,0.6
Y-CPX-32GA-4P [mm]
  rect 1.3x1.1 smd: 1(0,0) 2(2.5,0) 3(2.5,1.9) 4(0,1.9)
  silkscreen extent -1,-1.44 3.5,2.8
侧按4.5*4.5*4.8 [mm] "3PIN DIP"
  round 1 hole 0.8: 1(0,0) 2(-1.55,1.95) 3(1.55,1.95)
  silkscreen extent -2.5,0 2.5,2.9
拨码开关 [mm]
  oval 0.65x0.6 hole 0.55: 1(-2,0) 2(0,0) 3(2,0)
  oval 1.4x1.5 hole 1.3: 4(4.3,0) 5(-4.3,0)
  silkscreen extent -4.3,-2.25 4.3,2.25
电感SMD6*6*2.8 [mm]
  rect 2x0.85 smd: 1(0,0.825) 2(0,-0.825)
  silkscreen extent -1.25,-0.6 1.25,0.6
耳机接口 [mm]
  rect 2.5x1.2 smd: 1(3.25,5.6) 2(-3.25,-3) 3(-3.25,0.1) 4(-3.25,4.1)
  round 1.3 hole 1.3: 19(0,2.9) 19(0,-4.1)
  silkscreen extent -3.25,-5.7 3.25,7

## Part data
ANT1: library part J-IPEX, "天线接口IPEX"
C1 C3 C4 C7 C9 C10 C25 C27 C28 C32 C33 C34 C50: library part C0603X7R-330J25V, "贴片电容-陶瓷"
C2 C6 C8 C12: library part C0402X7R-101J10V, "贴片电容-陶瓷"
C5 C11 C36 C37 C38 C52: library part C0805X7R-226K25V, "贴片电容-陶瓷"
C13 C15 C19 C20 C22 C24 C26 C31 C35 C42 C49: library part C0402X7R-104J10V, "贴片电容-陶瓷"
C14 C17 C18: library part C0805Y5V-226M50V, "贴片电容-陶瓷"
C16 C43 C46: library part C0603X7R-106K50V, "贴片电容-陶瓷"
C21 C23 C29 C30 C39 C40: library part C0402X7R-220J10V, "贴片电容-陶瓷"
C41: library part C0402X7R-330J10V, "贴片电容-陶瓷"
C44 C45: library part "C1206-A型 极性电容", "C 1206钽电容 --220UF 10V 3216 A型 有极性电容 3.2mm X 1.6mm"
C47 C48: library part C0603X7R-475K16V, "贴片电容-陶瓷"
C51: library part C0603X7R-105K16V, "贴片电容-陶瓷"
D1 D2 D4 D5: library part "D Zener", "Zener Diode"
J2: library part J-FPC0.5-24P/UT, "FPC端子"
J3 J4 J16: library part J-S2.54-3P, "单排排针-直针"
J6: "MS110-C10B-C16"
J7 J11 J14 J15 J18: library part J-S2.54-2P, "单排排针-直针"
J10: library part 卡槽-3
J12 J13: library part J-S2.54-4P, "单排排针-直针"
J17: "DIP Switch"
J19: "Header, 3-Pin"
L1: library part LI-0608-10uH1A, "插件电感-工形"
L2 L3 R18 R20 R21 R22 R23 R57: library part R0603-47KF, "贴片电阻-通用"
L4: library part L-0805-3.3uH, "贴片电感-层叠"
L11 L12: library part INDUCTANCE1
M1 M2 M4 M5 M6 M7: "MARK点"
R1 R2 R4 R6 R7 R8 R9 R14 R15 R16 R38 R41: library part R0603-2KF, "贴片电阻-通用"
R3 R5 R11 R12 R33 R39 R43 R44 R45 R46: library part R0603-100KF, "贴片电阻-通用"
R10 R13: library part R0402-4.7KF, "贴片电阻-通用"
R17 R19 R29 R30 R31 R32 R42: library part R0603-10KF, "贴片电阻-通用"
R24 R48: library part R0603-33RF, "贴片电阻-通用"
R25: library part R0603-100RF, "贴片电阻-通用"
R26: library part R0603-470RF, "贴片电阻-通用"
R27 R35: library part R0603-3KF, "贴片电阻-通用"
R28: library part R0603-560KF, "贴片电阻-通用"
R34 R37 R47 R49 R58 R59 R60 R61 R62 R63 R64: library part R0402-1KF, "贴片电阻-通用"
R36 R40: library part R0603-0R, "贴片电阻-通用"
R50 R51 R52 R53 R54: library part R0603-33KF, "贴片电阻-通用"
R55: library part R0603-1KF, "贴片电阻-通用"
R56: library part R0603-6.8KF, "贴片电阻-通用"
S1: library part S-KSMD6X6-4P, "轻触按键"
U1 U2: library part FP6267B
Y1: library part YC-26MHz, "晶振-贴片无源"